# Altium PCB Main_Board.PcbDoc (continued)
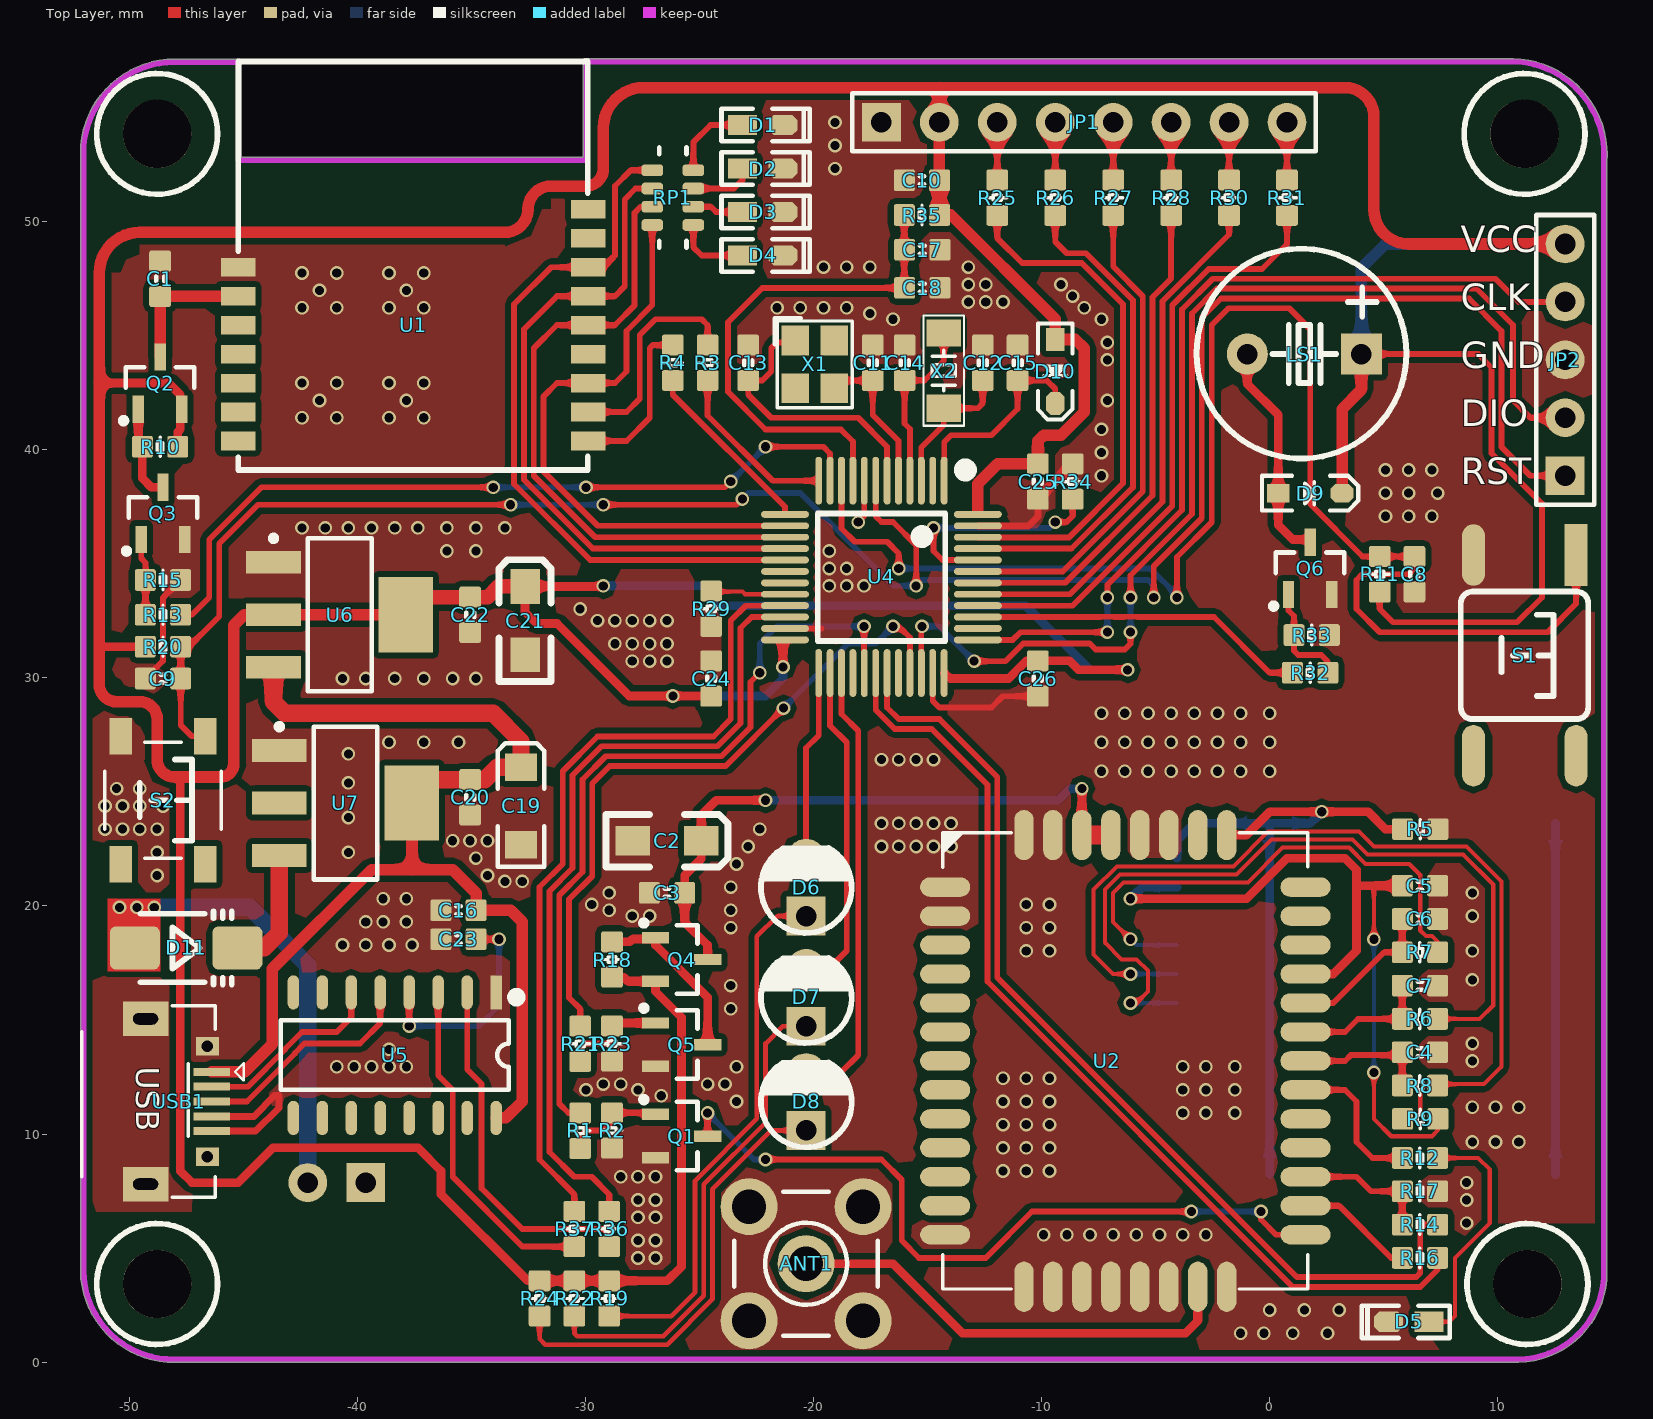
[diagram p0: Top Layer view]
## Part data
ANT1: "SMA天线座"
C1 C3 C4 C5 C6 C7 C8 C9 C10 C11 C12 C13 C14 C15 C16 C17 C18 C20 C22 C23 C24 C25 C26: library part cap
C2 C19 C21: library part Ecap
D9: "高速开关二极管", BOM名称=高速开关二极管, 学习资源=www.ooocke.com, 版权归属=源创客
D10: library part D
D11: library part Diod
JP1: library part "Header 8", "8P接插件", BOM名称=8P接插件, 学习资源=www.ooocke.com, 版权归属=源创客
JP2: library part "Header 5", "5P接插件", BOM名称=5P接插件, 学习资源=www.ooocke.com, 版权归属=源创客
JP3: library part "Header 2", "2P接插件", BOM名称=2P接插件, 学习资源=www.ooocke.com, 版权归属=源创客
LS1: library part BEEP, "蜂鸣器", BOM名称=蜂鸣器, 学习资源=www.ooocke.com, 版权归属=源创客
Q1 Q3 Q5 Q6: library part 8050-SMD, "高频放大-NPN型", BOM名称=高频放大-NPN型, 学习资源=www.ooocke.com, 属性="40V 1.5A 1W 100MHZ", 版权归属=源创客
Q2 Q4: library part SI2301, "P沟道场效应管", BOM名称=P沟道场效应管, 学习资源=www.ooocke.com, 版权归属=源创客
R1 R2 R3 R4 R5 R6 R7 R8 R9 R10 R11 R12 R13 R14 R15 R16 R17 R18 R19 R20 R21 R22 R23 R24 R25 R26 R27 R28 R29 R30 R31 R32 R33 R34 R35 R36 R37: library part res
RP1: library part Resistor_Pack
S1 S2: "Switch", LatestRevisionDate=17-Jul-2002, LatestRevisionNote="Re-released for DXP Platform.", PackageReference=SPST-2, Published=24-Mar-1999, Publisher="Altium Limited"
U2: library part NB
U3: library part USIM-6P
U4: "Flaah:64/RAM:20/IO:36", BOM名称=32位STM单片机, 学习资源=www.ooocke.com, 版权归属=源创客
U6 U7: library part AMS1117
USB1: "微型USB母座", BOM名称=微型USB母座, 学习资源=www.ooocke.com, 版权归属=源创客
X1: library part XTAL-4P, "4脚无源晶振", BOM名称=4脚无源晶振, 学习资源=www.ooocke.com, 版权归属=源创客
X2: library part XTAL-2P, "2脚无源脚晶振", BOM名称=2脚无源脚晶振, 学习资源=www.ooocke.com, 版权归属=源创客

## Free pads (board coordinates)
  round 3 hole 3 unplated: 1(-48.768,53.848) 2(-48.768,3.429) 3(11.303,3.429) 4(11.176,53.848)

## Via types
v1: diameter 0.6, hole 0.4, Top Layer to Bottom Layer, tented both sides, 311 vias

## Nets (pads, with @x,y where several pads share a name; then routed paths per layer and width w, separated by ;. In a path a pad name is that pad's centre, name@x,y a point inside that pad or via, vN(x,y) a via of type N, cw(c..) or ccw(c..) an arc to the next point about the centre after c; other vN are vias at no path point)
ANT: ANT1.1 U2.20 | length 20.2
  Top Layer w0.381: ANT1.1 -16.51,4.318 -13.462,1.27 -3.683,1.27 -3.149,1.804 U2.20
BEEP: R32.1 U4.39 | length 14.8
  Top Layer w0.254: U4.39 -7.412,32.667 -7.394,32.685 -6.83,32.685 -6.812,32.667 -6.396,32.667 -6.378,32.685 -5.814,32.685 -5.796,32.667 -2.441,32.667 0,30.226 R32.1
Blue_EN: RP1.3 U1.12 U4.15 | length 27.9
  Top Layer w0.254: RP1.3 -27.578,50.654 -27.837,50.395 -27.837,46.331 -28.702,45.466 U1.12 -31.242,45.466 -32.258,44.45 -32.258,38.862 -29.563,36.167 U4.15
Blue_IN: RP1.2 U1.13 U4.16 | length 29.7
  Top Layer w0.254: RP1.2 -27.794,51.454 -28.27,50.978 -28.27,47.168 -28.702,46.736 U1.13 -31.242,46.736 -32.69,45.288 -32.69,38.683 -29.674,35.667 U4.16
Blue_Power_Control: R13.1 U4.11 | length 34.3
  Top Layer w0.254: R13.1 -47.244,32.766 -46.482,33.528 -46.482,36.068 -44.196,38.354 v1(-34.036,38.354) ; v1(-29.972,38.354) -23.876,38.354 v1(-23.622,38.608) ; v1(-22.098,40.132) -19.558,40.132 -19.268,39.842 U4.11
  Bottom Layer w0.254: v1(-34.036,38.354) v1(-29.972,38.354) ; v1(-23.622,38.608) v1(-22.098,40.132)
Blue_RST: RP1.1 U1.14 U4.17 | length 31.4
  Top Layer w0.254: RP1.1 -28.01,52.254 -28.702,51.562 -28.702,48.514 -29.21,48.006 U1.14 -31.496,48.006 -33.122,46.38 -33.122,38.504 -29.784,35.167 U4.17
Blue_RXD_PA2: R3.2 U4.12 | length 7.7
  Top Layer w0.254: R3.2@-24.638,43.167 -24.638,41.505 -21.777,38.644 U4.12
Blue_STATE: RP1.4 U1.10 U4.14 | length 25.8
  Top Layer w0.254: RP1.4 -27.062,46.344 -28.194,45.212 -28.194,43.434 -28.702,42.926 U1.10 -31.242,42.926 -31.826,42.342 -31.826,39.041 -29.452,36.667 U4.14
Blue_TXD_PA3: R4.2 U4.13 | length 8
  Top Layer w0.254: R4.2@-26.162,43.167 -26.162,42.418 -21.245,37.501 U4.13
GND: ANT1.2 ANT1.3 C1.2 C2.2 C3.1 C4.2 C5.1 C6.1 C7.1 C8.2 C9.1 C10.2 C11.1 C12.2 C13.1 C14.2 C15.2 C16.2 C17.1 C18.1 C19.2 C20.1 C21.2 C22.1 C23.2 C24.1 C25.1 C26.1 D1.2 D2.2 D3.2 D4.2 D5.2 JP1.1 JP2.3 JP3.1 Q1.2 Q3.2 Q5.2 Q6.2 R2.2 R5.2 R15.2 R17.2 R23.2 R29.2 R33.2 R34.1 S1.2 S2.2 U1.1 U2.1@-14.224,20.828 U2.2@-14.224,19.558 U2.13 U2.14 U2.15 U2.16 U2.17 U2.18 U2.19 U2.21 U2.37 U2.38 U2.41 U2.42 U4.8 U4.23 U4.35 U4.47 U5.1 U6.1 U7.1 USB1.4 USB1.5 | length 27.6
  Top Layer w0.254: C9.1 -48.514,30.747 -48.514,33.515 R15.2 ; U4.23 -19.649,32.167 ; v1(-18.034,36.83) -17.768,37.096 U4.8 ; U4.35 -14.768,28.992 -14.478,28.702 -12.192,28.702 -11.697,29.197 C26.1
  Top Layer w0.305: USB1.5@-46.376,10.13 -44.45,10.13 -43.434,11.146 -43.434,11.684 -43.626,11.684 -44.53,10.78 USB1.4 ; U4.47 -10.577,36.667 -10.16,37.084 C25.1
  Top Layer w0.381: C25.1 -10.16,37.859 R34.1
  other v1: -1.27,1.27 -0.254,1.27 1.016,1.27 2.54,1.27 0,2.286 1.524,2.286 3.048,2.286 -27.686,4.572 -26.924,4.572 -27.686,5.334 -26.924,5.334 -9.906,5.588 -8.89,5.588 -7.874,5.588 -6.858,5.588 -5.842,5.588 -4.826,5.588 -3.81,5.588 -2.794,5.588 8.636,6.096 -27.686,6.35 -26.924,6.35 -27.686,7.112 -26.924,7.112 8.636,7.112 8.636,7.874 -28.448,8.128 -27.686,8.128 -26.924,8.128 -11.684,8.382 -10.668,8.382 -9.652,8.382 -11.684,9.398 -10.668,9.398 -9.652,9.398 8.89,9.652 9.906,9.652 10.922,9.652 -11.684,10.414 -10.668,10.414 -9.652,10.414 -3.81,10.922 -2.794,10.922 -1.524,10.922 8.89,11.176 9.906,11.176 10.922,11.176 -23.368,11.43 -11.684,11.43 -10.668,11.43 -9.652,11.43 -26.67,11.684 -29.972,11.938 -27.686,11.938 -3.81,11.938 -2.794,11.938 -1.524,11.938 -29.21,12.192 -28.448,12.192 -24.638,12.192 -23.876,12.192 -11.684,12.446 -10.668,12.446 -9.652,12.446 -40.894,12.954 -40.132,12.954 -39.37,12.954 -38.608,12.954 -37.846,12.954 -23.368,12.954 -3.81,12.954 -2.794,12.954 -1.524,12.954 8.89,13.208 -38.608,13.716 8.89,13.97 -23.622,15.494 -23.622,16.51 8.89,16.764 -10.668,18.034 -9.652,18.034 8.89,18.034 -40.64,18.288 -39.624,18.288 -38.608,18.288 -37.592,18.288 -23.622,19.05 -10.668,19.05 -9.652,19.05 -39.624,19.304 -38.862,19.304 -37.846,19.304 -27.94,19.558 -27.178,19.558 8.89,19.558 -28.956,19.812 -23.622,19.812 -29.718,20.066 -10.668,20.066 -9.652,20.066 -38.862,20.32 -37.846,20.32 -28.956,20.574 8.89,20.574 -23.622,20.828 -33.528,21.082 -32.766,21.082 -48.768,21.336 -34.29,21.336 -23.368,21.844 -34.798,22.098 -48.768,22.352 -40.386,22.352 -22.86,22.606 -17.018,22.606 -16.256,22.606 -15.494,22.606 -14.732,22.606 -13.97,22.606 -35.814,22.86 -35.052,22.86 -34.29,22.86 -51.054,23.368 -50.292,23.368 -49.53,23.368 -48.768,23.368 -22.352,23.368 -17.018,23.622 -16.256,23.622 -15.494,23.622 -14.732,23.622 -13.97,23.622 -40.386,23.876 -51.054,24.384 -50.292,24.384 -49.53,24.384 -48.514,24.384 -50.546,25.146 -49.53,25.146 -40.386,25.4 -7.366,25.908 -6.35,25.908 -5.334,25.908 -4.318,25.908 -3.302,25.908 -2.286,25.908 -1.27,25.908 0,25.908 -17.018,26.416 -16.256,26.416 -15.494,26.416 -14.732,26.416 -40.386,26.67 -38.608,27.178 -37.084,27.178 -35.56,27.178 -7.366,27.178 -6.35,27.178 -5.334,27.178 -4.318,27.178 -3.302,27.178 -2.286,27.178 -1.27,27.178 0,27.178 -7.366,28.448 -6.35,28.448 -5.334,28.448 -4.318,28.448 -3.302,28.448 -2.286,28.448 -1.27,28.448 0,28.448 -40.64,29.972 -39.624,29.972 -38.354,29.972 -37.084,29.972 -35.814,29.972 -34.798,29.972 -27.94,30.734 -27.178,30.734 -26.416,30.734 -28.702,31.496 -27.94,31.496 -27.178,31.496 -26.416,31.496 -29.464,32.512 -28.702,32.512 -27.94,32.512 -27.178,32.512 -26.416,32.512 -30.226,33.02 -19.304,34.036 -18.542,34.036 -17.78,34.036 -19.304,34.798 -18.542,34.798 -36.068,35.56 -34.798,35.56 -19.304,35.56 -42.418,36.576 -41.402,36.576 -40.386,36.576 -39.37,36.576 -38.354,36.576 -37.338,36.576 -36.068,36.576 -34.798,36.576 -33.528,36.576 5.08,37.084 6.096,37.084 7.112,37.084 5.08,38.1 6.096,38.1 7.366,38.1 -7.366,38.862 5.08,39.116 6.096,39.116 7.112,39.116 -7.366,39.878 -7.366,40.894 -42.418,41.402 -40.894,41.402 -38.608,41.402 -37.084,41.402 -41.656,42.164 -37.846,42.164 -7.112,42.164 -42.418,42.926 -40.894,42.926 -38.608,42.926 -37.084,42.926 -7.112,43.942 -7.112,44.704 -16.51,45.72 -7.366,45.72 -17.526,45.974 -42.418,46.228 -40.894,46.228 -38.608,46.228 -37.084,46.228 -21.59,46.228 -20.574,46.228 -19.558,46.228 -18.542,46.228 -8.128,46.228 -13.208,46.482 -12.446,46.482 -11.684,46.482 -8.636,46.736 -41.656,46.99 -37.846,46.99 -13.208,47.244 -12.446,47.244 -9.144,47.244 -42.418,47.752 -40.894,47.752 -38.608,47.752 -37.084,47.752 -19.558,48.006 -18.542,48.006 -17.526,48.006 -13.208,48.006 -19.05,52.324 -19.05,53.34 -19.05,54.356
LED1: D6.2 U4.25 | length 8.3
  Top Layer w0.254: D6.2 -20.32,26.924 -19.768,27.476 U4.25
LED2: D7.2 U4.26 | length 14.6
  Top Layer w0.254: D7.2 -19.304,17.272 -18.542,18.034 -18.542,27.178 -19.268,27.904 U4.26
LED3: D8.2 U4.27 | length 19.7
  Top Layer w0.254: D8.2 -18.796,12.7 -18.034,13.462 -18.034,27.686 -18.768,28.42 U4.27
MCU_3.3V: C10.1 C21.1 C22.2 C24.2 C25.2 C26.2 D9.2 D10.1 JP1.2 JP2.5 LS1.1 Q2.2 Q4.2 R10.2 R11.2 R18.2 R19.1 R20.2 R22.1 R24.1 R35.1 U4.24 U4.36 U4.48 U6.2 U6.4 | length 313.4
  Top Layer w0.254: -48.006,25.654 -47.752,25.4 ; LS1.1 9.144,44.196 9.728,43.612 9.728,39.849 11.938,37.639 11.938,33.528 10.846,32.436 5.41,32.436 4.826,33.02 R11.2
  Top Layer w0.381: -51.308,31.242 -51.181,31.369 R20.2 ; -51.308,42.926 -48.26,42.926 -47.752,42.418 -47.752,41.844 Q2.2 -47.752,41.722 -47.752,40.894 -47.866,40.78 R10.2 ; -47.752,25.4 -47.752,8.382 -47.244,7.874 -45.212,7.874 -43.688,9.398 -37.338,9.398 -36.322,8.382 -36.322,7.366 -32.525,3.569 R24.1 R22.1 R19.1 -26.403,3.569 -25.781,4.191 -25.781,15.113 -26.924,16.256 Q4.2 -28.133,16.703 -28.308,16.878 R18.2 ; v1@-29.235,34.011 C21.1 -32.639,32.893 -32.131,32.385 -31.242,32.385 -28.067,29.21 v1(-26.162,29.21) -24.495,29.21 C24.2 ; v1(-21.336,30.48) U4.24@-21.336,31.576 ; U4.36@-14.25,30.215 -14.006,29.972 -11.43,29.972 -10.655,30.747 C26.2 -8.776,30.747 -8.382,30.353 v1(-6.223,30.353)
  Top Layer w0.508: U6.4 U6.2 -44.958,32.766 -45.415,32.309 -45.415,26.213 cw(c-45.974,26.213) -45.974,25.654 -48.006,25.654 cw(c-48.006,26.416) -48.768,26.416 -48.768,28.194 ccw(c-49.53,28.194) -49.53,28.956 -50.546,28.956 cw(c-50.546,29.718) -51.308,29.718 -51.308,31.242 -51.308,42.926 -51.308,47.752 cw(c-49.53,47.752) -49.53,49.53 -33.528,49.53 ccw(c-33.528,50.546) -32.512,50.546 cw(c-31.496,50.546) -31.496,51.562 -29.972,51.562 ccw(c-29.972,52.324) -29.21,52.324 -29.21,54.102 cw(c-27.432,54.102) -27.432,55.88 -14.478,55.88 ; -12.791,37.338 -12.791,38.517 -11.925,39.383 C25.2 -10.16,40.386 -9.906,40.64 -9.144,40.64 -8.128,41.656 -8.128,44.45 -8.512,44.834 D10.1 -9.398,45.72 -13.97,50.292 R35.1 -14.478,50.305 JP1.2 -14.478,55.88 ; D9.2 3.178,41.786 4.024,42.632 LS1.1 ; JP2.5 10.16,49.022 6.096,49.022 cw(c6.096,50.546) 4.572,50.546 4.572,54.61 ccw(c3.302,54.61) 3.302,55.88 -14.478,55.88
  Top Layer w0.635: U6.4 -37.092,33.541 C22.2 -34.277,33.541 -33.807,34.011 C21.1
  Bottom Layer w0.381: v1(-29.21,34.036) -24.892,34.036 -24.021,33.165 -10.686,33.165 -7.874,30.353 v1(-6.223,30.353) ; v1(-26.162,29.21) -22.098,29.21 -21.336,29.972 v1(-21.336,30.48)
  Bottom Layer w0.508: LS1.1 4.024,47.966 5.08,49.022 JP2.5
MCU_RST: C9.2 JP2.1 R20.1 S2.1 U4.7 | length 95.7
  Top Layer w0.254: S2.1 -47.25,27.438 -47.739,27.927 C9.2 R20.1 -47.371,31.369 -46.05,32.69 -46.05,35.889 -44.347,37.592 v1(-33.274,37.592) ; v1(-29.21,37.592) -23.368,37.592 v1(-23.114,37.846) ; U4.7 -17.268,37.08 -17.018,36.83 -16.51,36.83 -15.494,35.814 v1(-15.494,34.036) ; v1(-5.08,33.528) -5.08,34.895 -2.972,37.004 -2.972,45.796 -2.134,46.634 8.738,46.634 10.16,45.212 10.16,40.132 11.43,38.862 JP2.1
  Bottom Layer w0.254: v1(-33.274,37.592) v1(-29.21,37.592) ; v1(-23.114,37.846) -22.86,38.1 -20.574,38.1 -16.51,34.036 v1(-15.494,34.036) -15.24,34.29 -5.334,34.29 -5.08,34.036 v1(-5.08,33.528)
NB_Power_Control: R21.1 U4.33 | length 29.8
  Top Layer w0.254: R21.1 -30.226,15.494 -30.709,15.977 -30.709,20.291 -29.693,21.307 -29.693,25.371 -28.927,26.137 -23.847,26.137 v1(-21.309,28.675) ; v1(-16.51,32.258) -16.256,32.258 -15.768,31.77 U4.33
  Bottom Layer w0.254: v1(-21.309,28.675) -18.488,31.496 -17.272,31.496 v1(-16.51,32.258)
NB_RESET: Q1.3 U2.22 | length 32.9
  Top Layer w0.254: Q1.3 v1(-24.638,10.922) ; v1(-22.098,8.89) -17.018,8.89 -16.129,8.001 -16.129,5.334 -15.367,4.572 -12.446,4.572 -10.414,6.604 v1(-3.429,6.604) ; v1(-0.381,6.604) -0.381,6.252 0.283,5.588 U2.22
  Bottom Layer w0.254: v1(-24.638,10.922) -22.606,8.89 v1(-22.098,8.89) ; v1(-3.429,6.604) v1(-0.381,6.604)
NB_RESET_Control: R1.1 U4.29 | length 34.8
  Top Layer w0.254: R1.1 -30.734,10.922 -31.14,11.328 -31.14,20.47 -30.124,21.486 -30.124,25.55 -29.106,26.568 -24.026,26.568 -22.758,27.836 -22.758,29.82 v1(-22.352,30.226) ; v1(-17.78,32.258) -17.78,30.227 U4.29
  Bottom Layer w0.254: v1(-22.352,30.226) -22.352,31.496 -21.59,32.258 v1(-17.78,32.258)
NB_RXD_PA9: R16.2 U4.30 | length 42.1
  Top Layer w0.254: U4.30 -17.268,28.595 -16.435,27.762 -14.815,27.762 -12.37,25.317 -12.37,16.688 1.016,3.302 6.604,3.302 7.366,4.064
NB_TXD_PA10: R14.2 U4.31 | length 43.2
  Top Layer w0.254: U4.31 -16.768,28.706 -16.256,28.194 -14.478,28.194 -11.938,25.654 -11.938,16.867 1.195,3.734 6.425,3.734 6.601,3.91 6.601,5.839 6.794,6.032 R14.2
NetC11_2: C11.2 U4.5 X1.3 | length 6.7
  Top Layer w0.254: X1.3 -18.741,43.04 C11.2 -17.399,41.529 -16.268,40.398 U4.5
NetC12_1: C12.1 U4.3 X2.2 | length 6.4
  Top Layer w0.254: U4.3 -15.268,40.104 -14.283,41.089 X2.2 -12.789,41.821 -12.573,42.037 C12.1
NetC13_2: C13.2 U4.6 X1.1 | length 12.5
  Top Layer w0.254: X1.1 -20.877,44.704 -21.59,44.704 -21.844,44.45 -21.844,43.434 -22.238,43.04 C13.2 -22.86,42.418 -21.844,41.402 -18.034,41.402 -16.768,40.136 U4.6
NetC14_1: C14.1 U4.4 X2.1 | length 7.8
  Top Layer w0.254: U4.4 -15.768,40.914 -16.002,41.148 C14.1 -15.126,43.04 -14.283,43.883 X2.1
NetC15_1: C15.1 D10.2 U4.1 | length 9.2
  Top Layer w0.254: U4.1 -14.268,40.342 -13.97,40.64 -12.192,40.64 -11.049,41.783 C15.1 -9.766,43.04 -9.398,42.672 D10.2
NetC17_2: C17.2 C18.2 R35.2 U4.9 | length 22.7
  Top Layer w0.254: U4.9 -18.268,40.366 -18.796,40.894 -22.098,40.894 -23.749,42.545 -23.749,45.593 -22.245,47.097 C18.2 -16.015,47.11 R35.2
NetC23_1: C23.1 U5.4 | length 9.7
  Top Layer w0.254: v1(-37.719,14.732) U5.4 ; C23.1 v1(-33.782,18.542)
  Bottom Layer w0.254: v1(-37.719,14.732) -34.671,14.732 -33.782,15.621 v1(-33.782,18.542)
NetD1_1: D1.1 RP1.8 | length 3.7
  Top Layer w0.254: RP1.8 -25.262,53.478 -24.504,54.236 D1.1
NetD2_1: D2.1 RP1.7 | length 2.8
  Top Layer w0.254: RP1.7 -23.476,51.454 -23.114,51.816 D2.1
NetD3_1: D3.1 RP1.6 | length 2.2
  Top Layer w0.254: RP1.6 -24.492,50.654 -24.264,50.426 D3.1
NetD4_1: D4.1 RP1.5 | length 3.3
  Top Layer w0.254: RP1.5 -25.262,48.884 -24.899,48.521 D4.1
NetD5_1: D5.1 R12.2 | length 10.8
  Top Layer w0.178: D5.1 7.867,1.771 8.128,2.032 8.128,4.572 9.652,6.096 9.652,8.445 9.144,8.954 R12.2
NetD6_1: D6.1 R19.2 | length 23.5
  Top Layer w0.203: R19.2 -26.237,2.019 -25.188,3.068 -25.188,7.959 -22.479,10.668 -22.479,18.669 -21.59,19.558 D6.1
NetD7_1: D7.1 R22.2 | length 21.5
  Top Layer w0.203: R22.2 -30.48,1.27 -30.353,1.143 -26.574,1.143 -24.807,2.91 -24.807,7.802 -22.098,10.51 -22.098,13.97 -21.336,14.732 D7.1
NetD8_1: D8.1 R24.2 | length 19.5
  Top Layer w0.203: R24.2 -32.004,1.016 -31.75,0.762 -26.416,0.762 -24.426,2.752 -24.426,7.578 -21.844,10.16 D8.1
NetD9_1: D9.1 LS1.2 Q6.3 | length 9.8
  Top Layer w0.381: LS1.2 -0.976,42.886 0.378,41.532 D9.1 0.378,36.706 1.016,36.068 1.651,36.068 Q6.3
NetD11_2: D11.2 U7.3 | length 5.5
  Top Layer w0.762: D11.2 -44.069,18.161 -43.413,18.817 U7.3
NetJP1_3: JP1.3 R25.2 | length 2.5
  Top Layer w0.254: R25.2 JP1.3
NetJP1_4: JP1.4 R26.2 | length 2.5
  Top Layer w0.254: R26.2 JP1.4
NetJP1_5: JP1.5 R27.2 | length 2.5
  Top Layer w0.254: R27.2 JP1.5
NetJP1_6: JP1.6 R28.2 | length 2.5
  Top Layer w0.254: R28.2 JP1.6
NetJP1_7: JP1.7 R30.2 | length 2.5
  Top Layer w0.254: R30.2 JP1.7
NetJP1_8: JP1.8 R31.2 | length 2.5
  Top Layer w0.254: R31.2 JP1.8
NetQ1_1: Q1.1 R1.2 R2.1 | length 4.5
  Top Layer w0.254: R1.2 -30.226,9.903 -29.972,10.157 -29.679,10.157 -29.676,10.16 -29.21,10.16 -28.829,10.541 R2.1 -26.997,10.935 Q1.1
NetQ2_1: Q2.1 Q3.3 R10.1 | length 4.2
  Top Layer w0.381: Q2.1 -49.591,40.307 R10.1 -49.416,38.748 -49.022,38.354 Q3.3
NetQ3_1: Q3.1 R13.2 R15.1 | length 3.4
  Top Layer w0.254: Q3.1 -49.464,35.24 -49.276,35.052 -49.276,32.779 R13.2
NetQ4_1: Q4.1 Q5.3 R18.1 | length 7.6
  Top Layer w0.381: R18.1 -28.054,18.428 -27.94,18.542 -26.985,18.542 Q4.1 -26.924,18.288 -24.638,16.002 Q5.3
NetQ5_1: Q5.1 R21.2 R23.1 | length 4.7
  Top Layer w0.254: R21.2 -30.226,13.716 -29.975,13.967 -29.679,13.967 -29.676,13.97 -28.956,13.97 -28.829,14.097 R23.1
  Top Layer w0.381: R23.1 -28.704,14.87 Q5.1
NetQ6_1: Q6.1 R32.2 R33.1 | length 4.7
  Top Layer w0.254: Q6.1 0.828,32.954 1.069,32.713 R33.1 1.069,31.189 1.252,31.006 2.268,31.006 2.553,30.721 R32.2
NetR3_1: R3.1 U1.9 | length 9.4
  Top Layer w0.254: U1.9 -28.194,41.656 -27.61,42.24 -27.61,45.034 -26.924,45.72 -24.892,45.72 -24.638,45.466 R3.1@-24.638,44.717
NetR4_1: R4.1 U1.8 | length 7.4
  Top Layer w0.254: U1.8 -28.194,40.386 -27.178,41.402 -27.178,44.45 -27.038,44.59 R4.1@-26.289,44.59 ; R4.1 R4.1@-26.289,44.59 ; R4.1@-26.162,44.717 R4.1@-26.289,44.59
NetR6_2: R6.2 U3.3 | length 35.3
  Top Layer w0.178: v1(-6.096,15.748) -5.842,15.748 -5.334,16.256 -5.334,17.165 -5.83,17.661 -6.485,17.661 -7.214,18.39 -7.214,20.721 -6.549,21.386 -1.445,21.386 0.08,22.911 3.639,22.911 4.299,22.25 8.489,22.25 9.804,20.935 9.804,15.646 9.207,15.05 R6.2
  Bottom Layer w0.178: v1(-6.096,15.748) U3.3
NetR7_2: R7.2 U3.2 | length 23.1
  Top Layer w0.178: v1(-6.096,18.542) -6.858,19.304 -6.858,20.574 -6.402,21.03 -0.952,21.03 0.573,22.555 3.491,22.555 4.203,21.844 6.122,21.844 6.604,21.362 6.604,18.935 6.849,18.689 7.112,18.689 7.366,18.435 R7.2
  Bottom Layer w0.178: v1(-6.096,18.542) -5.842,18.288 U3.2
NetR8_2: R8.2 R9.2 U3.6 | length 40.7
  Top Layer w0.178: v1(-6.096,17.018) -6.858,17.018 -7.722,17.882 -7.722,20.716 -6.696,21.741 -1.592,21.741 -0.067,23.266 3.912,23.266 4.572,22.606 8.636,22.606 10.16,21.082 10.16,12.954 9.398,12.192 7.429,12.192 R8.2 6.794,12.128 6.604,11.938 6.604,10.922 6.35,10.668 R9.2
  Bottom Layer w0.178: v1(-6.096,17.018) U3.6
NetR12_1: R12.1 U2.27 | length 6.5
  Top Layer w0.254: U2.27 3.302,11.938 3.81,11.43 3.81,9.652 4.508,8.954 R12.1
NetR14_1: R14.1 R17.1 U2.24 | length 5.7
  Top Layer w0.254: U2.24 3.81,8.128 4.445,7.493 R17.1 R14.1@5.816,6.286
NetR16_1: R16.1 U2.23 | length 5.2
  Top Layer w0.254: U2.23 3.048,6.858 5.334,4.572 R16.1
NetR29_1: R29.1 U4.20 | length 3.3
  Top Layer w0.178: R29.1 -24.456,33.782 -23.114,33.782 -22.999,33.667 U4.20
NetR34_2: R34.2 U4.44 | length 10.2
  Top Layer w0.254: v1(-14.732,36.576) -14.732,35.56 -14.339,35.167 U4.44 ; v1(-9.398,36.83) -8.89,36.83 -8.636,37.084 R34.2
  Bottom Layer w0.254: v1(-14.732,36.576) -9.652,36.576 v1(-9.398,36.83)
NetR36_2: R36.2 U5.2 | length 15.8
  Top Layer w0.254: U5.2 -35.179,12.827 -34.544,12.192 -34.544,7.62 -32.766,5.842 -29.21,5.842 -28.956,5.588 R36.2
NetR37_2: R37.2 U5.3 | length 14.6
  Top Layer w0.254: U5.3@-36.449,15.857 -36.449,12.573 -35.814,11.938 -35.814,8.128 -32.753,5.067 R37.2
OLED_CLK: R25.1 U4.46 | length 22.9
  Top Layer w0.254: U4.46 -12.773,36.149 -8.809,36.149 -6.426,38.532 -6.426,46.378 -8.233,48.185 -10.847,48.185 -11.938,49.276 R25.1
OLED_CS1: R28.1 U4.42 | length 21.9
  Top Layer w0.254: U4.42 -8.959,34.167 -5.131,37.995 -5.131,46.69 -4.318,47.503 R28.1
OLED_CS2: R31.1 U4.40 | length 26.5
  Top Layer w0.254: U4.40 -8.64,33.167 -4.267,37.54 -4.267,46.333 -2.67,47.93 -0.33,47.93 0.762,49.022 R31.1
OLED_DC: R27.1 U4.43 | length 21.3
  Top Layer w0.254: U4.43 -9.07,34.667 -5.563,38.174 -5.563,46.736 -6.858,48.031 R27.1
OLED_FSO: R30.1 U4.41 | length 23.5
  Top Layer w0.254: U4.41 -8.751,33.667 -4.699,37.719 -4.699,46.512 -1.778,49.433 R30.1
OLED_MOSI: R26.1 U4.45 | length 21.7
  Top Layer w0.254: U4.45 -8.68,35.667 -5.994,38.353 -5.994,46.557 -8.054,48.617 -8.89,48.617 -9.398,49.125 R26.1
POWER_+: D11.1 JP3.2 | length 18.8
  Bottom Layer w0.762: v1(-50.419,19.939) -44.704,19.939 -42.164,17.399 JP3.2
  other v1: -49.657,19.939 -48.895,19.939
SWCLK_PA14: JP2.4 U4.37 | length 39.1
  Top Layer w0.254: U4.37 -11.259,31.667 -10.922,32.004 v1(-7.112,32.004) ; v1(-7.112,33.528) -7.112,34.085 -3.835,37.361 -3.835,46.154 -2.491,47.498 9.906,47.498 10.922,46.482 JP2.4
  Bottom Layer w0.254: v1(-7.112,32.004) v1(-7.112,33.528)
SWDIO_PA13: JP2.2 U4.34 | length 49.1
  Top Layer w0.254: U4.34 -15.268,32.23 v1(-15.24,32.258) ; v1(-12.954,30.734) -11.581,30.734 -10.804,31.512 -7.89,31.512 -7.62,31.242 -6.35,31.242 -6.096,31.496 v1(-6.096,32.004) ; v1(-6.096,33.528) -6.096,34.49 -3.404,37.182 -3.404,45.975 -2.312,47.066 9.068,47.066 10.668,45.466 10.668,42.164 11.43,41.402 JP2.2
  Bottom Layer w0.254: v1(-15.24,32.258) -14.478,32.258 v1(-12.954,30.734) ; v1(-6.096,32.004) v1(-6.096,33.528)
UD+: U5.5 USB1.3 | length 9.9
  Top Layer w0.254: USB1.3@-46.122,11.43 -44.827,11.43 -42.728,13.529 -42.728,13.558 -42.315,13.97 -39.878,13.97 -38.989,14.859 U5.5
UD-: U5.6 USB1.2 | length 8.2
  Top Layer w0.254: USB1.2@-46.122,12.08 -44.788,12.08 -43.159,13.708 -43.159,13.737 -42.418,14.478 -40.894,14.478 -40.259,15.113 U5.6
USART3_RXD_PB10: R37.1 U4.21 | length 35.4
  Top Layer w0.254: R37.1@-30.48,6.858 -30.48,7.366 -32.004,8.89 -32.004,20.828 -30.988,21.844 -30.988,25.908 -29.464,27.432 -24.384,27.432 -23.622,28.194 -23.622,32.512 -22.967,33.167 U4.21
USART3_TXD_PB11: R36.1 U4.22 | length 35.7
  Top Layer w0.254: R36.1 -28.956,7.366 -29.718,8.128 -30.48,8.128 -31.572,9.22 -31.572,20.649 -30.556,21.665 -30.556,25.729 -29.285,27 -24.205,27 -23.19,28.015 -23.19,32.182 -22.705,32.667 U4.22
USIM_CLK: C7.2 R6.1 U2.29 | length 5.9
  Top Layer w0.254: U2.29 3.302,14.478 3.873,15.05 R6.1 C7.2
USIM_GND: R5.1 U2.35 U3.4 | length 46.9
  Top Layer w0.381: U2.35 -1.022,23.108 0,24.13 v1(2.286,24.13) 4.318,24.13 5.08,23.368 R5.1
  Bottom Layer w0.381: U3.4@-4.064,22.098 -4.064,22.86 -3.302,23.622 U3.4@0,23.622 ; U3.4@0,8.222 U3.4@0,23.622 ; v1(2.286,24.13) 1.778,23.622 U3.4@0,23.622 ; U3.4@12.53,8.222 U3.4@12.53,23.622
USIM_IO: C4.1 R8.1 U2.28 | length 5.9
  Top Layer w0.254: U2.28 3.302,13.208 3.556,13.462 5.689,13.462 C4.1 R8.1
USIM_RST: C6.2 R7.1 U2.30 | length 6.6
  Top Layer w0.254: U2.30 2.794,15.748 5.016,17.97 R7.1 C6.2
USIM_VDD: C5.2 R9.1 U2.31 U3.1 | length 35.3
  Top Layer w0.178: v1(4.572,12.7) 4.572,10.667 5.333,9.906 7.112,9.906 7.379,10.173 R9.1 ; v1(4.572,18.542) 4.572,20.892
  Top Layer w0.381: v1(-6.096,20.32) -1.016,20.32 0.762,22.098 3.302,22.098 3.81,21.59 3.81,20.828 ; U2.31 2.794,17.018 3.81,18.034 3.81,20.828 ; C5.2 4.572,20.892 3.873,20.892 3.81,20.828
  Bottom Layer w0.178: v1(4.572,12.7) v1(4.572,18.542)
  Bottom Layer w0.381: v1(-6.096,20.32) -5.588,20.828 U3.1
VCC_5V: C16.1 C19.1 C20.2 U5.16 U6.3 U7.4 USB1.1 | length 53
  Top Layer w0.508: USB1.1 -44.928,12.73 -43.718,13.94 -43.718,17.242 -39.37,21.59 -37.592,21.59 -37.592,22.352 -37.592,24.49 U7.4 ; -38.1,21.59 -35.814,21.59 -34.785,20.561 C16.1 -33.274,19.812 -32.766,19.304 -32.766,11.43 -33.486,10.71 U5.16
  Top Layer w0.762: U6.3 -43.667,28.935 -43.18,28.448 -34.036,28.448 -32.818,27.23 C19.1 -33.86,26.084 -34.404,25.54 C20.2 -36.584,25.54 U7.4
VCC_BLUE: C1.1 Q2.3 U1.2 | length 6.1
  Top Layer w0.508: Q2.3 C1.1 -48.628,46.736 U1.2
VCC_NB: C2.1 C3.2 Q4.3 U2.39 U2.40 | length 27.5
  Top Layer w0.381: Q4.3 -24.638,18.288 -25.641,19.291 C3.2 -25.641,21.349 -24.917,22.073 C2.1 -24.917,23.978 -24.257,24.638 v1(-22.098,24.638) ; U2.40 v1(-8.229,25.146)
  Top Layer w0.762: U2.40 U2.39
  Bottom Layer w0.381: v1(-22.098,24.638) -9.271,24.638 -8.763,25.146 v1(-8.229,25.146)
WakeUp_KEY1_PA0: C8.1 R11.1 S1.1 U4.10 | length 66.5
  Top Layer w0.254: U4.10 -18.768,36.548 -18.185,35.965 -16.764,35.965 -16.256,35.457 v1(-16.256,34.798) ; v1(-4.064,33.528) -4.064,35.301 -2.54,36.825 -2.54,45.466 -1.803,46.203 0.864,46.203 1.778,45.288 1.778,37.618 4.077,35.319 R11.1 C8.1 6.35,34.798 6.096,34.544 4.064,34.544 3.81,34.29 3.81,33.02 4.826,32.004 12.192,32.004 13.437,33.249 S1.1
  Bottom Layer w0.254: v1(-16.256,34.798) -5.231,34.798 -4.064,33.631 v1(-4.064,33.528)
pads on no net: S1.3 S1.4 S2.3 S2.4 U1.3 U1.4 U1.5 U1.6 U1.7 U1.11 U1.15 U1.16 U2.1@-15.844,20.848 U2.2@-12.404,20.848 U2.3 U2.4 U2.5 U2.6 U2.7 U2.8 U2.9 U2.10 U2.11 U2.12 U2.25 U2.26 U2.32 U2.33 U2.34 U2.36 U3.5 U4.2 U4.18 U4.19 U4.28 U4.32 U4.38 U5.7 U5.8 U5.9 U5.10 U5.11 U5.12 U5.13 U5.14 U5.15 U7.2 X1.2 X1.4

## Polygon pours and split planes (outlines as drawn)
GND on Bottom Layer "GND_L02_P000" (solid, remove dead copper, pour order 0): -52.5,57.5 15,57.5 15,0 -52.5,0
GND on Top Layer "GND_L01_P002" (solid, remove dead copper, pour order 2): -52.5,57.5 15,57.5 15,0 -52.5,0

## Keep-outs
Keep-Out Layer:
  lines w0.254: 10.573,57.024 cw(c10.573,52.927) 14.668,52.832 ; 10.668,57.023 -22.352,57.023 -29.972,57.023 -29.972,52.705 -45.212,52.705 -45.212,57 -48,57 ccw(c-48,53) -52,53 -52,4 ccw(c-48.064,4.063) -48,0.127 10.922,0.127 ccw(c10.856,3.933) 14.662,4 14.662,53

## Other copper
Top Layer:
  pour cut-out: -41.148,9.398 -36.83,9.398 -36.576,9.144 -36.576,6.35 -41.148,6.35
  pour cut-out: -47.176,10.98 -47.138,11.018 -43.688,11.018 -43.688,6.604 -47.244,6.604
  pour cut-out: 9.144,6.096 14.986,6.096 14.986,0 7.883,0
  pour cut-out: -51.445,6.604 -35.052,6.604 -35.052,0.127 -35.179,0 -51.562,0
  region net POWER_+: -50.927,17.145 -50.927,20.32 -48.641,20.32 -48.641,17.145

## Silkscreen, mask and mechanical layers (free items; w line width, h text height)
Top Overlay:
  circle w0.254: c11.303,3.429 r2.65
  circle w0.254: c-48.768,3.429 r2.65
  circle w0.254: c11.176,53.848 r2.65
  circle w0.254: c-48.768,53.848 r2.65
  text "VCC" at 8.382,48.26 h2
  text "CLK" at 8.382,45.72 h2
  text "GND" at 8.382,43.18 h2
  text "DIO" at 8.382,40.64 h2
  text "RST" at 8.382,38.1 h2
Bottom Overlay:
  text "基于蓝牙和NB模组的数据收集器" at -9.398,49.022 h3
  text "Designer By:LFZ" at -35.814,46.482 h2
  text "V1.0" at -35.814,44.196 h2
  text "Date:2019.12.22" at -35.814,42.164 h2
Mechanical 1:
  lines w0.254: 10.573,57.024 cw(c10.573,52.927) 14.668,52.832 ; 10.668,57.023 -22.352,57.023 -29.972,57.023 -29.972,52.705 -45.212,52.705 -45.212,57 -48,57 ccw(c-48,53) -52,53 -52,4 ccw(c-48.064,4.063) -48,0.127 10.922,0.127 ccw(c10.856,3.933) 14.662,4 14.662,53

## Text inside footprints (layer, text, board x,y; h text height)
U3: Bottom Overlay "SIM" at 4.572,20.828 h6 r90
USB1: Top Overlay "USB" at -49.678,12.954 h1.02 r270